# Altium PCB RockerBox_Rev04.PcbDoc (part 8 of 9) (continued)
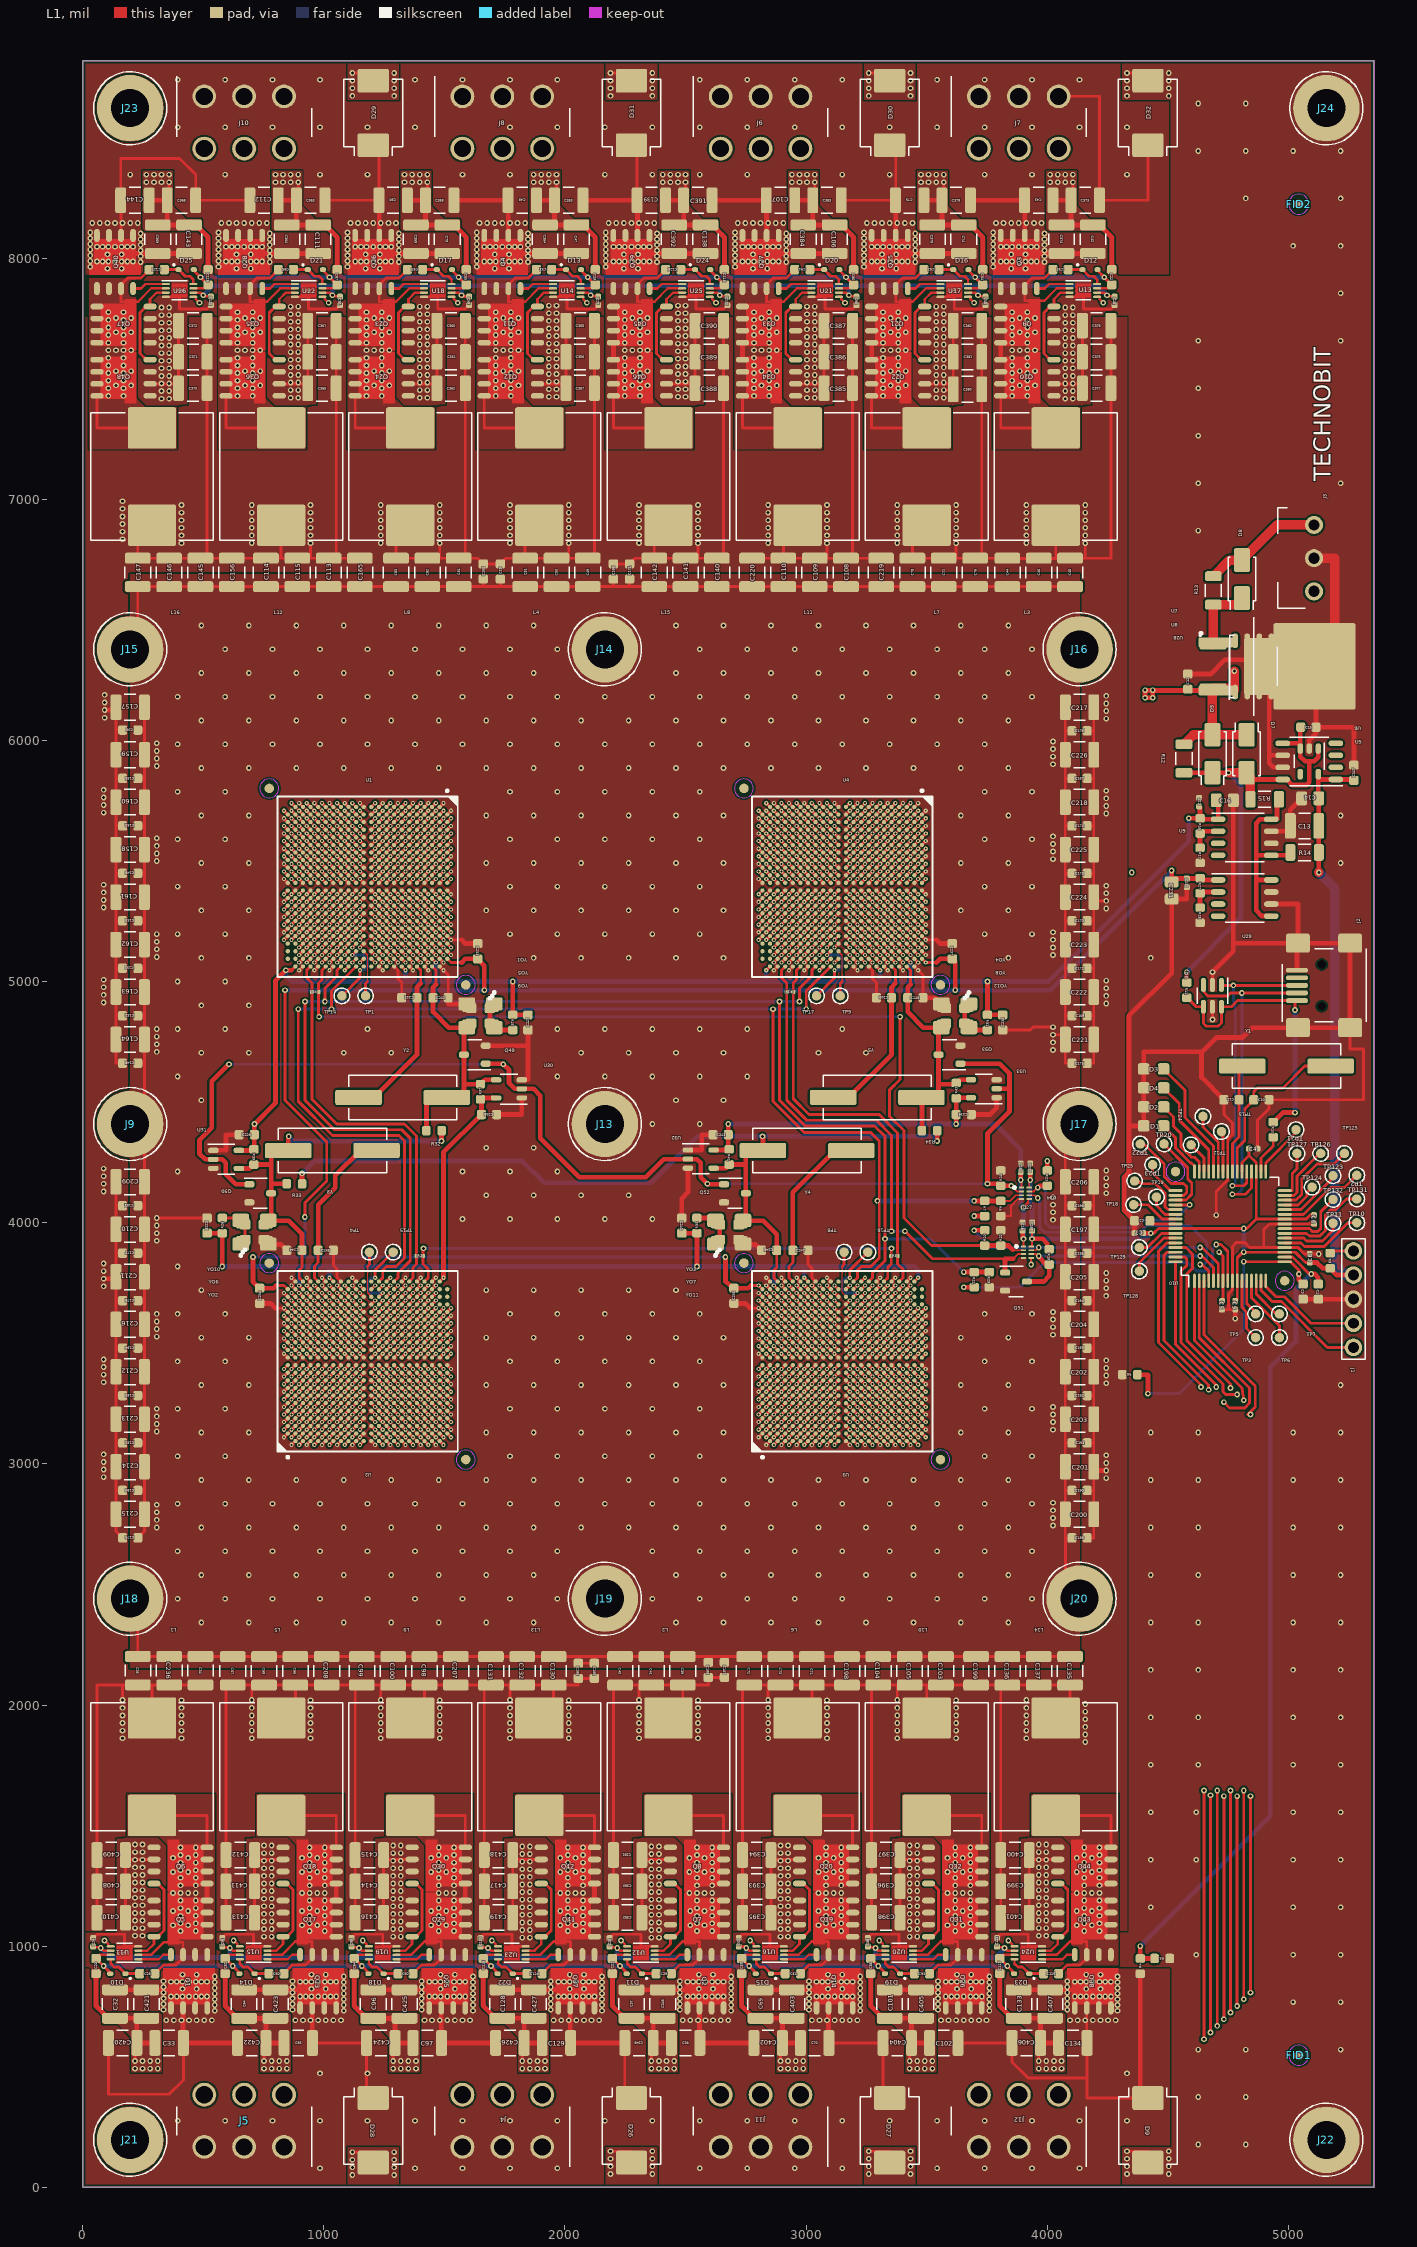
[diagram p0: L1 view]
## Nets (pads, with @x,y where several pads share a name; then routed paths per layer and width w, separated by ;. In a path a pad name is that pad's centre, name@x,y a point inside that pad or via, vN(x,y) a via of type N, cw(c..) or ccw(c..) an arc to the next point about the centre after c; other vN are vias at no path point) (continued)
SWN5: C29.2 L2.1 Q2.1 Q2.2 Q2.3 Q7.5 Q7.6 Q7.7 Q7.8 Q8.5 Q8.6 Q8.7 Q8.8 U12.2 | length 830.9
  L1 w9.84: U12.2@2372.05,963.58 2432.09,963.58 2487.7,1019.19
  L1 w11.81: L2.1@2429.13,1542.32 2657.48,1542.32 Q8.8@2657.48,1409.65 ; C29.2@2440.94,885.83 2440.94,886.81 2475.39,921.26 2530.12,921.26 2557.68,948.82 Q2.3@2557.68,964.57 2557.68,1019.19 2487.7,1019.19
  L1 w19.68: v1(2610.24,1409.45) 2610.24,1409.65 Q8.8@2657.48,1409.65
  other v1: 2547.24,1062.99 2610.24,1062.99 2519.68,1086.61 2578.74,1086.61 2547.24,1094.49 2610.24,1094.49 2547.24,1125.98 2610.24,1125.98 2519.68,1145.67 2578.74,1145.67 2547.24,1157.48 2610.24,1157.48 2547.24,1188.98 2610.24,1188.98 2515.75,1220.47 2547.24,1220.47 2578.74,1220.47 2610.24,1220.47 2547.24,1251.97 2610.24,1251.97 2547.24,1283.46 2610.24,1283.46 2515.75,1307.09 2578.74,1307.09 2547.24,1314.96 2610.24,1314.96 2547.24,1346.46 2610.24,1346.46 2515.75,1366.14 2578.74,1366.14 2547.24,1377.95 2610.24,1377.95 2547.24,1409.45
SWN6: C61.2 L6.1 Q14.1 Q14.2 Q14.3 Q19.5 Q19.6 Q19.7 Q19.8 Q20.5 Q20.6 Q20.7 Q20.8 U16.2 | length 830.8
  L1 w9.84: U16.2@2907.48,963.58 2967.52,963.58 3023.13,1019.19
  L1 w11.81: L6.1@2964.57,1542.32 3192.91,1542.32 Q20.8@3192.91,1409.65 ; C61.2@2976.38,885.83 2976.38,886.81 3010.83,921.26 3065.55,921.26 3093.11,948.82 Q14.3@3093.11,964.57 3093.11,1019.19 3023.13,1019.19
  L1 w19.68: v1(3145.67,1409.45) 3145.87,1409.65 Q20.8@3192.91,1409.65
  other v1: 3082.68,1062.99 3145.67,1062.99 3051.18,1086.61 3114.17,1086.61 3082.68,1094.49 3145.67,1094.49 3082.68,1125.98 3145.67,1125.98 3051.18,1145.67 3114.17,1145.67 3082.68,1157.48 3145.67,1157.48 3082.68,1188.98 3145.67,1188.98 3051.18,1220.47 3082.68,1220.47 3114.17,1220.47 3145.67,1220.47 3082.68,1251.97 3145.67,1251.97 3082.68,1283.46 3145.67,1283.46 3051.18,1307.09 3114.17,1307.09 3082.68,1314.96 3145.67,1314.96 3082.68,1346.46 3145.67,1346.46 3051.18,1366.14 3114.17,1366.14 3082.68,1377.95 3145.67,1377.95 3082.68,1409.45
SWN7: C93.2 L10.1 Q26.1 Q26.2 Q26.3 Q31.5 Q31.6 Q31.7 Q31.8 Q32.5 Q32.6 Q32.7 Q32.8 U20.2 | length 830.8
  L1 w9.84: U20.2@3442.91,963.58 3502.95,963.58 3558.56,1019.19
  L1 w11.81: L10.1@3500,1542.32 3728.35,1542.32 Q32.8@3728.35,1409.65 ; C93.2@3511.81,885.83 3511.81,886.81 3546.26,921.26 3600.98,921.26 3628.54,948.82 Q26.3@3628.54,964.57 3628.54,1019.19 3558.56,1019.19
  L1 w19.68: v1(3681.1,1409.45) 3681.3,1409.65 Q32.8@3728.35,1409.65
  other v1: 3618.11,1062.99 3681.1,1062.99 3586.61,1086.61 3649.61,1086.61 3618.11,1094.49 3681.1,1094.49 3618.11,1125.98 3681.1,1125.98 3586.61,1145.67 3649.61,1145.67 3618.11,1157.48 3681.1,1157.48 3618.11,1188.98 3681.1,1188.98 3586.61,1220.47 3618.11,1220.47 3649.61,1220.47 3681.1,1220.47 3618.11,1251.97 3681.1,1251.97 3618.11,1283.46 3681.1,1283.46 3586.61,1307.09 3649.61,1307.09 3618.11,1314.96 3681.1,1314.96 3618.11,1346.46 3681.1,1346.46 3586.61,1366.14 3649.61,1366.14 3618.11,1377.95 3681.1,1377.95 3618.11,1409.45
SWN8: C125.2 L14.1 Q38.1 Q38.2 Q38.3 Q43.5 Q43.6 Q43.7 Q43.8 Q44.5 Q44.6 Q44.7 Q44.8 U24.2 | length 830.8
  L1 w9.84: U24.2@3978.35,963.58 4038.39,963.58 4094,1019.19
  L1 w11.81: L14.1@4035.43,1542.32 4263.78,1542.32 Q44.8@4263.78,1409.65 ; C125.2@4047.24,885.83 4047.24,886.81 4081.69,921.26 4136.42,921.26 4163.98,948.82 Q38.3@4163.98,964.57 4163.98,1019.19 4094,1019.19
  L1 w19.68: v1(4216.54,1409.45) 4216.73,1409.65 Q44.8@4263.78,1409.65
  other v1: 4153.54,1062.99 4216.54,1062.99 4122.05,1086.61 4185.04,1086.61 4153.54,1094.49 4216.54,1094.49 4153.54,1125.98 4216.54,1125.98 4122.05,1145.67 4185.04,1145.67 4153.54,1157.48 4216.54,1157.48 4153.54,1188.98 4216.54,1188.98 4122.05,1220.47 4153.54,1220.47 4185.04,1220.47 4216.54,1220.47 4153.54,1251.97 4216.54,1251.97 4153.54,1283.46 4216.54,1283.46 4122.05,1307.09 4185.04,1307.09 4153.54,1314.96 4216.54,1314.96 4153.54,1346.46 4216.54,1346.46 4122.05,1366.14 4185.04,1366.14 4153.54,1377.95 4216.54,1377.95 4153.54,1409.45
SWN9: C30.2 L3.1 Q3.1 Q3.2 Q3.3 Q9.5 Q9.6 Q9.7 Q9.8 Q10.5 Q10.6 Q10.7 Q10.8 U13.2 | length 895.5
  L1 w9.84: Q3.3@3906.89,7874.02 3906.89,7822.83 3987.2,7822.83 4039.37,7875 U13.2@4092.52,7875
  L1 w11.81: Q10.8@3807.09,7428.94 3807.09,7296.26 L3.1@4035.43,7296.26 ; Q3.3@3906.89,7874.02 3905.51,7875.39 3905.51,7885.83 3937.01,7917.32 3988.19,7917.32 C30.2@4023.62,7952.76
  L1 w19.68: Q10.8@3807.09,7428.94 3854.13,7428.94 v1(3854.33,7429.13) ; Q10.5@3807.09,7578.92 Q9.8@3807.09,7649.41
  other v1: 3917.32,7429.13 3854.33,7460.63 3917.32,7460.63 3885.83,7472.44 3948.82,7472.44 3854.33,7492.13 3917.32,7492.13 3854.33,7523.62 3917.32,7523.62 3885.83,7531.5 3948.82,7531.5 3854.33,7555.12 3917.32,7555.12 3854.33,7586.61 3917.32,7586.61 3854.33,7618.11 3885.83,7618.11 3917.32,7618.11 3948.82,7618.11 3854.33,7649.61 3917.32,7649.61 3854.33,7681.1 3917.32,7681.1 3885.83,7692.91 3948.82,7692.91 3854.33,7712.6 3917.32,7712.6 3854.33,7744.09 3917.32,7744.09 3885.83,7751.97 3948.82,7751.97 3854.33,7775.59 3917.32,7775.59
SWN10: C62.2 L7.1 Q15.1 Q15.2 Q15.3 Q21.5 Q21.6 Q21.7 Q21.8 Q22.5 Q22.6 Q22.7 Q22.8 U17.2 | length 901.3
  L1 w9.84: 3441.44,7819.39 3497.05,7875 U17.2@3557.09,7875
  L1 w11.81: Q22.8@3271.65,7428.94 3271.65,7296.26 L7.1@3500,7296.26 ; 3441.44,7819.39 3371.46,7819.39 Q15.3@3371.46,7874.02 3371.46,7889.76 3399.02,7917.32 3453.74,7917.32 3488.19,7951.77 C62.2@3488.19,7952.76
  L1 w19.68: Q22.8@3271.65,7428.94 3318.7,7428.94 v1(3318.9,7429.13) ; Q22.5@3271.65,7578.92 Q21.8@3271.65,7649.41
  other v1: 3381.89,7429.13 3318.9,7460.63 3381.89,7460.63 3350.39,7472.44 3413.39,7472.44 3318.9,7492.13 3381.89,7492.13 3318.9,7523.62 3381.89,7523.62 3350.39,7531.5 3413.39,7531.5 3318.9,7555.12 3381.89,7555.12 3318.9,7586.61 3381.89,7586.61 3318.9,7618.11 3350.39,7618.11 3381.89,7618.11 3413.39,7618.11 3318.9,7649.61 3381.89,7649.61 3318.9,7681.1 3381.89,7681.1 3350.39,7692.91 3413.39,7692.91 3318.9,7712.6 3381.89,7712.6 3318.9,7744.09 3381.89,7744.09 3350.39,7751.97 3413.39,7751.97 3318.9,7775.59 3381.89,7775.59
SWN11: C94.2 L11.1 Q27.1 Q27.2 Q27.3 Q33.5 Q33.6 Q33.7 Q33.8 Q34.5 Q34.6 Q34.7 Q34.8 U21.2 | length 901.3
  L1 w9.84: 2906,7819.39 2961.61,7875 U21.2@3021.65,7875
  L1 w11.81: Q34.8@2736.22,7428.94 2736.22,7296.26 L11.1@2964.57,7296.26 ; 2906,7819.39 2836.02,7819.39 Q27.3@2836.02,7874.02 2836.02,7889.76 2863.58,7917.32 2918.31,7917.32 2952.76,7951.77 C94.2@2952.76,7952.76
  L1 w19.68: Q34.8@2736.22,7428.94 2783.27,7428.94 v1(2783.46,7429.13) ; Q34.5@2736.22,7578.92 Q33.8@2736.22,7649.41
  other v1: 2846.46,7429.13 2783.46,7460.63 2846.46,7460.63 2814.96,7472.44 2877.95,7472.44 2783.46,7492.13 2846.46,7492.13 2783.46,7523.62 2846.46,7523.62 2814.96,7531.5 2877.95,7531.5 2783.46,7555.12 2846.46,7555.12 2783.46,7586.61 2846.46,7586.61 2783.46,7618.11 2814.96,7618.11 2846.46,7618.11 2877.95,7618.11 2783.46,7649.61 2846.46,7649.61 2783.46,7681.1 2846.46,7681.1 2814.96,7692.91 2877.95,7692.91 2783.46,7712.6 2846.46,7712.6 2783.46,7744.09 2846.46,7744.09 2814.96,7751.97 2877.95,7751.97 2783.46,7775.59 2846.46,7775.59
SWN12: C126.2 L15.1 Q39.1 Q39.2 Q39.3 Q45.5 Q45.6 Q45.7 Q45.8 Q46.5 Q46.6 Q46.7 Q46.8 U25.2 | length 901.3
  L1 w9.84: 2370.57,7819.39 2426.18,7875 U25.2@2486.22,7875
  L1 w11.81: Q46.8@2200.79,7428.94 2200.79,7296.26 L15.1@2429.13,7296.26 ; 2370.57,7819.39 2300.59,7819.39 Q39.3@2300.59,7874.02 2300.59,7889.76 2328.15,7917.32 2382.87,7917.32 2417.32,7951.77 C126.2@2417.32,7952.76
  L1 w19.68: Q46.8@2200.79,7428.94 2247.83,7428.94 v1(2248.03,7429.13) ; Q46.5@2200.79,7578.92 Q45.8@2200.79,7649.41
  other v1: 2311.02,7429.13 2248.03,7460.63 2311.02,7460.63 2279.53,7472.44 2342.52,7472.44 2248.03,7492.13 2311.02,7492.13 2248.03,7523.62 2311.02,7523.62 2279.53,7531.5 2342.52,7531.5 2248.03,7555.12 2311.02,7555.12 2248.03,7586.61 2311.02,7586.61 2248.03,7618.11 2279.53,7618.11 2311.02,7618.11 2342.52,7618.11 2248.03,7649.61 2311.02,7649.61 2248.03,7681.1 2311.02,7681.1 2279.53,7692.91 2342.52,7692.91 2248.03,7712.6 2311.02,7712.6 2248.03,7744.09 2311.02,7744.09 2279.53,7751.97 2342.52,7751.97 2248.03,7775.59 2311.02,7775.59
SWN13: C31.2 L4.1 Q4.1 Q4.2 Q4.3 Q11.5 Q11.6 Q11.7 Q11.8 Q12.5 Q12.6 Q12.7 Q12.8 U14.2 | length 830.8
  L1 w9.84: 1835.14,7819.39 1890.75,7875 U14.2@1950.79,7875
  L1 w11.81: Q12.8@1665.35,7428.94 1665.35,7296.26 L4.1@1893.7,7296.26 ; 1835.14,7819.39 1765.16,7819.39 Q4.3@1765.16,7874.02 1765.16,7889.76 1792.72,7917.32 1847.44,7917.32 1881.89,7951.77 C31.2@1881.89,7952.76
  L1 w19.68: Q12.8@1665.35,7428.94 1712.4,7428.94 v1(1712.6,7429.13)
  other v1: 1775.59,7429.13 1712.6,7460.63 1775.59,7460.63 1744.09,7472.44 1807.09,7472.44 1712.6,7492.13 1775.59,7492.13 1712.6,7523.62 1775.59,7523.62 1744.09,7531.5 1807.09,7531.5 1712.6,7555.12 1775.59,7555.12 1712.6,7586.61 1775.59,7586.61 1712.6,7618.11 1744.09,7618.11 1775.59,7618.11 1807.09,7618.11 1712.6,7649.61 1775.59,7649.61 1712.6,7681.1 1775.59,7681.1 1744.09,7692.91 1807.09,7692.91 1712.6,7712.6 1775.59,7712.6 1712.6,7744.09 1775.59,7744.09 1744.09,7751.97 1807.09,7751.97 1712.6,7775.59 1775.59,7775.59
SWN14: C63.2 L8.1 Q16.1 Q16.2 Q16.3 Q23.5 Q23.6 Q23.7 Q23.8 Q24.5 Q24.6 Q24.7 Q24.8 U18.2 | length 830.8
  L1 w9.84: 1299.7,7819.39 1355.31,7875 U18.2@1415.35,7875
  L1 w11.81: Q24.8@1129.92,7428.94 1129.92,7296.26 L8.1@1358.27,7296.26 ; 1299.7,7819.39 1229.72,7819.39 Q16.3@1229.72,7874.02 1229.72,7889.76 1257.28,7917.32 1312.01,7917.32 1346.46,7951.77 C63.2@1346.46,7952.76
  L1 w19.68: Q24.8@1129.92,7428.94 1176.97,7428.94 v1(1177.17,7429.13)
  other v1: 1240.16,7429.13 1177.17,7460.63 1240.16,7460.63 1208.66,7472.44 1271.65,7472.44 1177.17,7492.13 1240.16,7492.13 1177.17,7523.62 1240.16,7523.62 1208.66,7531.5 1271.65,7531.5 1177.17,7555.12 1240.16,7555.12 1177.17,7586.61 1240.16,7586.61 1177.17,7618.11 1208.66,7618.11 1240.16,7618.11 1271.65,7618.11 1177.17,7649.61 1240.16,7649.61 1177.17,7681.1 1240.16,7681.1 1208.66,7692.91 1271.65,7692.91 1177.17,7712.6 1240.16,7712.6 1177.17,7744.09 1240.16,7744.09 1208.66,7751.97 1271.65,7751.97 1177.17,7775.59 1240.16,7775.59
SWN15: C95.2 L12.1 Q28.1 Q28.2 Q28.3 Q35.5 Q35.6 Q35.7 Q35.8 Q36.5 Q36.6 Q36.7 Q36.8 U22.2 | length 830.8
  L1 w9.84: 764.27,7819.39 819.88,7875 U22.2@879.92,7875
  L1 w11.81: Q36.8@594.49,7428.94 594.49,7296.26 L12.1@822.83,7296.26 ; 764.27,7819.39 694.29,7819.39 Q28.3@694.29,7874.02 694.29,7889.76 721.85,7917.32 776.57,7917.32 811.02,7951.77 C95.2@811.02,7952.76
  L1 w19.68: Q36.8@594.49,7428.94 641.54,7428.94 v1(641.73,7429.13)
  other v1: 704.72,7429.13 641.73,7460.63 704.72,7460.63 673.23,7472.44 736.22,7472.44 641.73,7492.13 704.72,7492.13 641.73,7523.62 704.72,7523.62 673.23,7531.5 736.22,7531.5 641.73,7555.12 704.72,7555.12 641.73,7586.61 704.72,7586.61 641.73,7618.11 673.23,7618.11 704.72,7618.11 736.22,7618.11 641.73,7649.61 704.72,7649.61 641.73,7681.1 704.72,7681.1 673.23,7692.91 736.22,7692.91 641.73,7712.6 704.72,7712.6 641.73,7744.09 704.72,7744.09 673.23,7751.97 736.22,7751.97 641.73,7775.59 704.72,7775.59
SWN16: C127.2 L16.1 Q40.1 Q40.2 Q40.3 Q47.5 Q47.6 Q47.7 Q47.8 Q48.5 Q48.6 Q48.7 Q48.8 U26.2 | length 830.8
  L1 w9.84: 228.84,7819.39 284.45,7875 U26.2@344.49,7875
  L1 w11.81: Q48.8@59.06,7428.94 59.06,7296.26 L16.1@287.4,7296.26 ; 228.84,7819.39 158.86,7819.39 Q40.3@158.86,7874.02 158.86,7889.76 186.42,7917.32 241.14,7917.32 275.59,7951.77 C127.2@275.59,7952.76
  L1 w19.68: Q48.8@59.06,7428.94 106.1,7428.94 v1(106.3,7429.13)
  other v1: 169.29,7429.13 106.3,7460.63 169.29,7460.63 137.8,7472.44 200.79,7472.44 106.3,7492.13 169.29,7492.13 106.3,7523.62 169.29,7523.62 137.8,7531.5 200.79,7531.5 106.3,7555.12 169.29,7555.12 106.3,7586.61 169.29,7586.61 106.3,7618.11 137.8,7618.11 169.29,7618.11 200.79,7618.11 106.3,7649.61 169.29,7649.61 106.3,7681.1 169.29,7681.1 137.8,7692.91 200.79,7692.91 106.3,7712.6 169.29,7712.6 106.3,7744.09 169.29,7744.09 137.8,7751.97 200.79,7751.97 106.3,7775.59 169.29,7775.59
TXD_0: R20.2 U10.6 U27.7 | length 1220.2
  L1 w7.87: U27.7@3933.27,3885.83 3952.76,3885.83 v1(3964.57,3897.64)
  L1 w11.81: v1(4633.86,3897.64) 4641.73,3897.64 4708.96,3830.41 U10.6@4708.96,3759.18
  L1 w19.68: v1(3696.85,3968.5) R20.2@3740.35,3968.5
  L4 w11.81: v1(3696.85,3968.5) 3767.72,3897.64 v1(3964.57,3897.64) v1(4633.86,3897.64)
TXD_1: R1.1 R20.1 R22.1 U1.U22 U27.2 | length 4061.6
  L1 w7.87: 3856.5,3887.8 3858.46,3885.83 U27.2@3901.77,3885.83
  L1 w11.81: v1(980.51,4854.33) 977.95,4854.33 R1.1@977.95,4956.69 977.95,4993.7 992.13,5007.87 992.13,5047.24 U1.U22@1007.87,5062.99 ; v1(3389.76,4854.33) 3389.76,4594.49 3346.46,4551.18 3346.46,4440.94 3405.51,4381.89 3405.51,4019.68 3519.68,3905.51 R20.1@3740.35,3905.51
  L1 w19.68: R20.1@3740.35,3905.51 3838.78,3905.51 3856.5,3887.8
  L4 w11.81: v1(980.51,4854.33) v1(3389.76,4854.33)
TXD_2: R1.2 R2.1 U1.W22 U2.U22 | length 1679.2
  L1 w11.81: U1.W22@944.88,5062.99 929.13,5047.24 929.13,5015.94 951.18,4993.9 R1.2@951.18,4956.69 951.18,4511.81 1053.54,4409.45 1334.65,4409.45 1384.25,4359.84 1384.25,3828.94 1370.08,3814.76 1370.08,3771.65 U2.U22@1354.33,3755.91
TXD_3: R2.2 R3.1 U2.W22 U3.U22 | length 2247.6
  L1 w11.81: v1(1413.39,3893.7) 1411.02,3893.7 R2.2@1411.02,3862.2 1411.02,3829.13 1433.07,3807.09 1433.07,3771.65 U2.W22@1417.32,3755.91 ; U3.U22@3322.83,3755.91 3338.58,3771.65 3338.58,3814.76 3352.76,3828.94 R3.1@3352.76,3862.2 3352.76,3892.13 v1(3354.33,3893.7)
  L4 w11.81: v1(1413.39,3893.7) v1(3354.33,3893.7)
TXD_4: R3.2 R19.1 U3.W22 U4.U22 | length 1685.2
  L1 w11.81: U4.U22@2976.38,5062.99 2960.63,5047.24 2960.63,5007.87 2946.46,4993.7 2946.46,4514.17 3011.81,4448.82 3303.15,4448.82 3379.53,4372.44 R3.2@3379.53,3862.2 3379.53,3829.13 3401.57,3807.09 3401.57,3771.65 U3.W22@3385.83,3755.91
TXD_5: Q51.1 R19.2 U4.W22 U27.3 | length 2123.4
  L1 w7.87: 3858.46,3850.39 3878.15,3870.08 U27.3@3901.77,3870.08
  L1 w11.81: U4.W22@2913.39,5062.99 2897.64,5047.24 2897.64,5015.94 2919.68,4993.9 R19.2@2919.68,4956.69 2919.68,4507.87 3002.36,4425.2 3291.34,4425.2 3354.33,4362.2 v1(3354.33,3964.57) ; v1(3409.45,3964.57) 3523.62,3850.39 3825,3850.39
  L1 w19.68: Q51.1@3825,3793.31 3825,3850.39 3858.46,3850.39
  L4 w11.81: v1(3354.33,3964.57) v1(3409.45,3964.57)
TXD_10: Q51.3 R18.2 U10.5 U27.6 | length 1049.9
  L1 w7.87: U27.6@3933.27,3870.08 3952.95,3870.08 v1@3964.57,3858.46 ; v1(3964.57,3862.2) v1@3964.57,3858.46 ; v1@3964.76,3858.27 v1@3964.57,3858.46
  L1 w11.81: v1(4633.86,3862.2) 4634.1,3861.97 4641.97,3861.97 4689.27,3814.67 U10.5@4689.27,3759.18
  L1 w19.68: Q51.3@3915.55,3755.91 3984.45,3755.91 4008.07,3779.53 R18.2@4008.07,3826.77 3996.26,3826.77 3964.76,3858.27 v1(3964.57,3862.2)
  L4 w11.81: v1(3964.57,3862.2) v1(4633.86,3862.2)
USB5.0V: D6.4 D6.6 J2.1 R10.1 R11.2 | length 1200.6
  L1 w11.81: R11.2@4578.74,4933.07 4580.71,4933.07 4618.11,4895.67 D6.4@4647.64,4895.67 4647.64,4826.77 4659.45,4814.96 4708.66,4814.96 4722.44,4828.74 D6.6@4722.44,4895.67 4763.78,4895.67 4789.37,4921.26 J2.1@5027.56,4921.26 ; v1(5027.56,4881.89) J2.1@5027.56,4921.26 ; J2.1@5035.43,4921.26 J2.1@5027.56,4921.26
  L1 w19.68: R10.1@4937.01,4417.32 4976.38,4456.69 v1(5027.56,4456.69)
  L4 w19.68: v1(5027.56,4456.69) v1(5027.56,4881.89)
VCAP: C2.1 U10.56 | length 112.3
  L1 w11.81: C2.1@4425.2,4007.87 4425.2,4006.89 4436.69,3995.4 U10.56@4531.79,3995.4
YELLOW: D3.2 U10.44 | length 511.6
  L1 w11.81: D3.2@4482.28,4637.8 4570.87,4549.21 4570.87,4437.01 4689.27,4318.6 U10.44@4689.27,4211.93
pads on no net: FID1.1 FID2.1 J2.4 J2.10 J2.11 U1.AA19 U1.AA20 U1.AA21 U1.AB19 U1.AB20 U1.AB21 U1.FID1 U1.FID2 U1.J22 U1.L22 U1.M22 U2.AA19 U2.AA20 U2.AA21 U2.AB19 U2.AB20 U2.AB21 U2.FID1 U2.FID2 U2.J22 U2.L22 U2.M22 U3.AA19 U3.AA20 U3.AA21 U3.AB19 U3.AB20 U3.AB21 U3.FID1 U3.FID2 U3.J22 U3.L22 U3.M22 U4.AA19 U4.AA20 U4.AA21 U4.AB19 U4.AB20 U4.AB21 U4.FID1 U4.FID2 U4.J22 U4.L22 U4.M22 U5.4 U6.2 U6.3 U6.4 U9.3 U9.4 U10.65 U10.66 U29.3 U29.4

## Polygon pours and split planes (outlines as drawn)
GND on L1 "L1-GND" (solid, remove dead copper, pour order 106): 3295.28,724.41 3295.28,677.17 3358.27,677.17 3413.39,622.05 3413.39,476.38 3539.37,476.38 3539.37,724.41
GND on L1 "L1-GND 1" (solid, remove dead copper, pour order 109): 251.97,7763.78 251.97,7417.32 275.59,7393.7 433.07,7393.7 433.07,7897.64 370.08,7897.64 370.08,7842.52 326.77,7842.52 326.77,7763.78
GND on L1 "L1-GND 2" (solid, remove dead copper, pour order 121): 1393.7,1074.8 1393.7,1421.26 1370.08,1444.88 1212.6,1444.88 1212.6,940.94 1275.59,940.94 1275.59,996.06 1318.9,996.06 1318.9,1074.8
SWN3 on L1 "L1-$1I88\SWN3" (solid, remove dead copper, pour order 126): 1425.2,921.26 1425.2,1417.32 1385.83,1456.69 1255.91,1456.69 1255.91,1629.92 1618.11,1629.92 1618.11,921.26
GND on L1 "L1-GND 3" (solid, remove dead copper, pour order 97): 3830.71,724.41 3830.71,677.17 3893.7,677.17 3948.82,622.05 3948.82,476.38 4074.8,476.38 4074.8,724.41
GND on L1 "L1-GND 4" (solid, remove dead copper, pour order 118): 1858.27,7763.78 1858.27,7417.32 1881.89,7393.7 2039.37,7393.7 2039.37,7897.64 1976.38,7897.64 1976.38,7842.52 1933.07,7842.52 1933.07,7763.78
GND on L1 "L1-GND 5" (solid, remove dead copper, pour order 142): 4133.86,2153.54 196.85,2153.54 196.85,6688.98 4133.86,6688.98
GND on L1 "L1-GND 6" (solid, remove dead copper, pour order 117): 3464.57,7763.78 3464.57,7417.32 3488.19,7393.7 3645.67,7393.7 3645.67,7897.64 3582.68,7897.64 3582.68,7842.52 3539.37,7842.52 3539.37,7763.78
GND on L1 "L1-GND 7" (solid, remove dead copper, pour order 144): -3.94,8822.83 5350.39,8822.83 5350.39,3.94 -3.94,3.94
GND on L1 "L1-GND 8" (solid, remove dead copper, pour order 98): 492.13,8114.17 492.13,8161.42 429.13,8161.42 374.02,8216.54 374.02,8362.2 248.03,8362.2 248.03,8114.17
GND on L1 "L1-GND 9" (solid, remove dead copper, pour order 100): 618.11,724.41 618.11,677.17 681.1,677.17 736.22,622.05 736.22,476.38 862.2,476.38 862.2,724.41
SWN8 on L1 "L1-$1I88\SWN8" (solid, remove dead copper, pour order 137): 4102.36,921.26 4102.36,1417.32 4062.99,1456.69 3933.07,1456.69 3933.07,1629.92 4295.28,1629.92 4295.28,921.26
GND on L1 "L1-GND 10" (solid, remove dead copper, pour order 105): 1027.56,8114.17 1027.56,8161.42 964.57,8161.42 909.45,8216.54 909.45,8362.2 783.46,8362.2 783.46,8114.17
SWN13 on L1 "L1-$1I88\SWN13" (solid, remove dead copper, pour order 138): 1826.77,7917.32 1826.77,7421.26 1866.14,7381.89 1996.06,7381.89 1996.06,7208.66 1633.86,7208.66 1633.86,7917.32
GND on L1 "L1-GND 11" (solid, remove dead copper, pour order 111): 4000,7763.78 4000,7417.32 4023.62,7393.7 4181.1,7393.7 4181.1,7897.64 4118.11,7897.64 4118.11,7842.52 4074.8,7842.52 4074.8,7763.78
GND on L1 "L1-GND 12" (solid, remove dead copper, pour order 107): 3169.29,8114.17 3169.29,8161.42 3106.3,8161.42 3051.18,8216.54 3051.18,8362.2 2925.2,8362.2 2925.2,8114.17
GND on L1 "L1-GND 13" (solid, remove dead copper, pour order 123): 2464.57,1074.8 2464.57,1421.26 2440.94,1444.88 2283.46,1444.88 2283.46,940.94 2346.46,940.94 2346.46,996.06 2389.76,996.06 2389.76,1074.8
SWN9 on L1 "L1-$1I88\SWN9" (solid, remove dead copper, pour order 136): 3968.5,7917.32 3968.5,7421.26 4007.87,7381.89 4137.8,7381.89 4137.8,7208.66 3775.59,7208.66 3775.59,7917.32
GND on L1 "L1-GND 14" (solid, remove dead copper, pour order 92): 1688.98,724.41 1688.98,677.17 1751.97,677.17 1807.09,622.05 1807.09,476.38 1933.07,476.38 1933.07,724.41
12V on L1 "L1-12V" (solid, remove dead copper, pour order 141): 0,905.51 4507.87,905.51 4507.87,0 0,0
GND on L1 "L1-GND 15" (solid, remove dead copper, pour order 110): 2393.7,7763.78 2393.7,7417.32 2417.32,7393.7 2574.8,7393.7 2574.8,7897.64 2511.81,7897.64 2511.81,7842.52 2468.5,7842.52 2468.5,7763.78
GND on L1 "L1-GND 16" (solid, remove dead copper, pour order 85): 2169.29,165.35 2381.89,165.35 2381.89,3.94 2169.29,3.94
12V on L1 "L1-12V 1" (solid, remove dead copper, pour order 140): 4503.94,7933.07 3.94,7933.07 3.94,8814.96 4503.94,8814.96
GND on L1 "L1-GND 17" (solid, remove dead copper, pour order 102): 1562.99,8114.17 1562.99,8161.42 1500,8161.42 1444.88,8216.54 1444.88,8362.2 1318.9,8362.2 1318.9,8114.17
SWN5 on L1 "L1-$1I88\SWN5" (solid, remove dead copper, pour order 139): 2496.06,921.26 2496.06,1417.32 2456.69,1456.69 2326.77,1456.69 2326.77,1629.92 2688.98,1629.92 2688.98,921.26
GND on L1 "L1-GND 18" (solid, remove dead copper, pour order 99): 2098.43,8114.17 2098.43,8161.42 2035.43,8161.42 1980.31,8216.54 1980.31,8362.2 1854.33,8362.2 1854.33,8114.17
GND on L1 "L1-GND 19" (solid, remove dead copper, pour order 89): 3240.16,165.35 3452.76,165.35 3452.76,3.94 3240.16,3.94
SWN1 on L1 "L1-$1I88\SWN1" (solid, remove dead copper, pour order 134): 354.33,921.26 354.33,1417.32 314.96,1456.69 185.04,1456.69 185.04,1629.92 547.24,1629.92 547.24,921.26
GND on L1 "L1-GND 20" (solid, remove dead copper, pour order 95): 4240.16,8114.17 4240.16,8161.42 4177.17,8161.42 4122.05,8216.54 4122.05,8362.2 3996.06,8362.2 3996.06,8114.17
GND on L1 "L1-GND 21" (solid, remove dead copper, pour order 103): 1153.54,724.41 1153.54,677.17 1216.54,677.17 1271.65,622.05 1271.65,476.38 1397.64,476.38 1397.64,724.41
GND on L1 "L1-GND 22" (solid, remove dead copper, pour order 94): 82.68,724.41 82.68,677.17 145.67,677.17 200.79,622.05 200.79,476.38 326.77,476.38 326.77,724.41
GND on L1 "L1-GND 23" (solid, remove dead copper, pour order 86): 2381.89,8657.48 2169.29,8657.48 2169.29,8818.9 2381.89,8818.9
SWN10 on L1 "L1-$1I88\SWN10" (solid, remove dead copper, pour order 125): 3433.07,7917.32 3433.07,7421.26 3472.44,7381.89 3602.36,7381.89 3602.36,7208.66 3240.16,7208.66 3240.16,7917.32
GND on L1 "L1-GND 24" (solid, remove dead copper, pour order 96): 2224.41,724.41 2224.41,677.17 2287.4,677.17 2342.52,622.05 2342.52,476.38 2468.5,476.38 2468.5,724.41
GND on L1 "L1-GND 25" (solid, remove dead copper, pour order 122): 858.27,1074.8 858.27,1421.26 834.65,1444.88 677.17,1444.88 677.17,940.94 740.16,940.94 740.16,996.06 783.46,996.06 783.46,1074.8
GND on L1 "L1-GND 26" (solid, remove dead copper, pour order 84): 3452.76,8657.48 3240.16,8657.48 3240.16,8818.9 3452.76,8818.9
GND on L1 "L1-GND 27" (solid, remove dead copper, pour order 88): 4523.62,8657.48 4311.02,8657.48 4311.02,8818.9 4523.62,8818.9
GND on L1 "L1-GND 28" (solid, remove dead copper, pour order 115): 1322.83,7763.78 1322.83,7417.32 1346.46,7393.7 1503.94,7393.7 1503.94,7897.64 1440.94,7897.64 1440.94,7842.52 1397.64,7842.52 1397.64,7763.78
SWN11 on L1 "L1-$1I88\SWN11" (solid, remove dead copper, pour order 129): 2897.64,7917.32 2897.64,7421.26 2937.01,7381.89 3066.93,7381.89 3066.93,7208.66 2704.72,7208.66 2704.72,7917.32
SWN4 on L1 "L1-$1I88\SWN4" (solid, remove dead copper, pour order 132): 1960.63,921.26 1960.63,1417.32 1921.26,1456.69 1791.34,1456.69 1791.34,1629.92 2153.54,1629.92 2153.54,921.26
SWN16 on L1 "L1-$1I88\SWN16" (solid, remove dead copper, pour order 135): 220.47,7917.32 220.47,7421.26 259.84,7381.89 389.76,7381.89 389.76,7208.66 27.56,7208.66 27.56,7917.32
GND on L1 "L1-GND 29" (solid, remove dead copper, pour order 116): 2929.13,7763.78 2929.13,7417.32 2952.76,7393.7 3110.24,7393.7 3110.24,7897.64 3047.24,7897.64 3047.24,7842.52 3003.94,7842.52 3003.94,7763.78
GND on L1 "L1-GND 30" (solid, remove dead copper, pour order 113): 4070.87,1074.8 4070.87,1421.26 4047.24,1444.88 3889.76,1444.88 3889.76,940.94 3952.76,940.94 3952.76,996.06 3996.06,996.06 3996.06,1074.8
GND on L1 "L1-GND 31" (solid, remove dead copper, pour order 90): 1311.02,8657.48 1098.43,8657.48 1098.43,8818.9 1311.02,8818.9
SWN6 on L1 "L1-$1I88\SWN6" (solid, remove dead copper, pour order 128): 3031.5,921.26 3031.5,1417.32 2992.13,1456.69 2862.2,1456.69 2862.2,1629.92 3224.41,1629.92 3224.41,921.26
SWN2 on L1 "L1-$1I88\SWN2" (solid, remove dead copper, pour order 124): 889.76,921.26 889.76,1417.32 850.39,1456.69 720.47,1456.69 720.47,1629.92 1082.68,1629.92 1082.68,921.26
SWN14 on L1 "L1-$1I88\SWN14" (solid, remove dead copper, pour order 127): 1291.34,7917.32 1291.34,7421.26 1330.71,7381.89 1460.63,7381.89 1460.63,7208.66 1098.43,7208.66 1098.43,7917.32
SWN12 on L1 "L1-$1I88\SWN12" (solid, remove dead copper, pour order 131): 2362.2,7917.32 2362.2,7421.26 2401.57,7381.89 2531.5,7381.89 2531.5,7208.66 2169.29,7208.66 2169.29,7917.32
SWN7 on L1 "L1-$1I88\SWN7" (solid, remove dead copper, pour order 130): 3566.93,921.26 3566.93,1417.32 3527.56,1456.69 3397.64,1456.69 3397.64,1629.92 3759.84,1629.92 3759.84,921.26
1V on L1 "L1-1V" (solid, remove dead copper, pour order 143): 4330.71,1062.99 0,1062.99 0,7755.91 4330.71,7755.91
GND on L1 "L1-GND 32" (solid, remove dead copper, pour order 101): 3704.72,8114.17 3704.72,8161.42 3641.73,8161.42 3586.61,8216.54 3586.61,8362.2 3460.63,8362.2 3460.63,8114.17
GND on L1 "L1-GND 33" (solid, remove dead copper, pour order 93): 2633.86,8114.17 2633.86,8161.42 2570.87,8161.42 2515.75,8216.54 2515.75,8362.2 2389.76,8362.2 2389.76,8114.17
GND on L1 "L1-GND 34" (solid, remove dead copper, pour order 114): 322.83,1074.8 322.83,1421.26 299.21,1444.88 141.73,1444.88 141.73,940.94 204.72,940.94 204.72,996.06 248.03,996.06 248.03,1074.8
GND on L1 "L1-GND 35" (solid, remove dead copper, pour order 104): 2759.84,724.41 2759.84,677.17 2822.83,677.17 2877.95,622.05 2877.95,476.38 3003.94,476.38 3003.94,724.41
GND on L1 "L1-GND 36" (solid, remove dead copper, pour order 112): 1929.13,1074.8 1929.13,1421.26 1905.51,1444.88 1748.03,1444.88 1748.03,940.94 1811.02,940.94 1811.02,996.06 1854.33,996.06 1854.33,1074.8
GND on L1 "L1-GND 37" (solid, remove dead copper, pour order 91): 4311.02,165.35 4523.62,165.35 4523.62,3.94 4311.02,3.94
GND on L1 "L1-GND 38" (solid, remove dead copper, pour order 120): 3535.43,1074.8 3535.43,1421.26 3511.81,1444.88 3354.33,1444.88 3354.33,940.94 3417.32,940.94 3417.32,996.06 3460.63,996.06 3460.63,1074.8
SWN15 on L1 "L1-$1I88\SWN15" (solid, remove dead copper, pour order 133): 755.91,7917.32 755.91,7421.26 795.28,7381.89 925.2,7381.89 925.2,7208.66 562.99,7208.66 562.99,7917.32
GND on L1 "L1-GND 39" (solid, remove dead copper, pour order 119): 3000,1074.8 3000,1421.26 2976.38,1444.88 2818.9,1444.88 2818.9,940.94 2881.89,940.94 2881.89,996.06 2925.2,996.06 2925.2,1074.8
GND on L1 "L1-GND 40" (solid, remove dead copper, pour order 87): 1098.43,165.35 1311.02,165.35 1311.02,3.94 1098.43,3.94
GND on L1 "L1-GND 41" (solid, remove dead copper, pour order 108): 787.4,7763.78 787.4,7417.32 811.02,7393.7 968.5,7393.7 968.5,7897.64 905.51,7897.64 905.51,7842.52 862.2,7842.52 862.2,7763.78
GND on L4 "L4-GND" (solid, remove dead copper, pour order 166): 0,8818.9 5354.33,8818.9 5354.33,0 0,0
SWN16 on L4 "L4-$1I88\SWN16" (solid, remove dead copper, pour order 159): 299.21,7917.32 299.21,7381.89 389.76,7381.89 389.76,7208.66 27.56,7208.66 27.56,7917.32
SWN7 on L4 "L4-$1I88\SWN7" (solid, remove dead copper, pour order 153): 3488.19,921.26 3488.19,1456.69 3397.64,1456.69 3397.64,1629.92 3759.84,1629.92 3759.84,921.26
SWN5 on L4 "L4-$1I88\SWN5" (solid, remove dead copper, pour order 160): 2417.32,921.26 2417.32,1456.69 2326.77,1456.69 2326.77,1629.92 2688.98,1629.92 2688.98,921.26
SWN3 on L4 "L4-$1I88\SWN3" (solid, remove dead copper, pour order 149): 1346.46,921.26 1346.46,1456.69 1255.91,1456.69 1255.91,1629.92 1618.11,1629.92 1618.11,921.26
SWN15 on L4 "L4-$1I88\SWN15" (solid, remove dead copper, pour order 150): 834.65,7917.32 834.65,7381.89 925.2,7381.89 925.2,7208.66 562.99,7208.66 562.99,7917.32
12V on L4 "L4-12V" (solid, remove dead copper, pour order 165): 0,874.02 5354.33,874.02 5354.33,0 0,0
SWN1 on L4 "L4-$1I88\SWN1" (solid, remove dead copper, pour order 157): 275.59,921.26 275.59,1456.69 185.04,1456.69 185.04,1629.92 547.24,1629.92 547.24,921.26
SWN6 on L4 "L4-$1I88\SWN6" (solid, remove dead copper, pour order 151): 2952.76,921.26 2952.76,1456.69 2862.2,1456.69 2862.2,1629.92 3224.41,1629.92 3224.41,921.26
SWN14 on L4 "L4-$1I88\SWN14" (solid, remove dead copper, pour order 148): 1370.08,7917.32 1370.08,7381.89 1460.63,7381.89 1460.63,7208.66 1098.43,7208.66 1098.43,7917.32
SWN8 on L4 "L4-$1I88\SWN8" (solid, remove dead copper, pour order 163): 4023.62,921.26 4023.62,1456.69 3933.07,1456.69 3933.07,1629.92 4295.28,1629.92 4295.28,921.26